# Altium PCB DIOT_8ch_isoSPI1.PcbDoc (part 1 of 5) (continued)
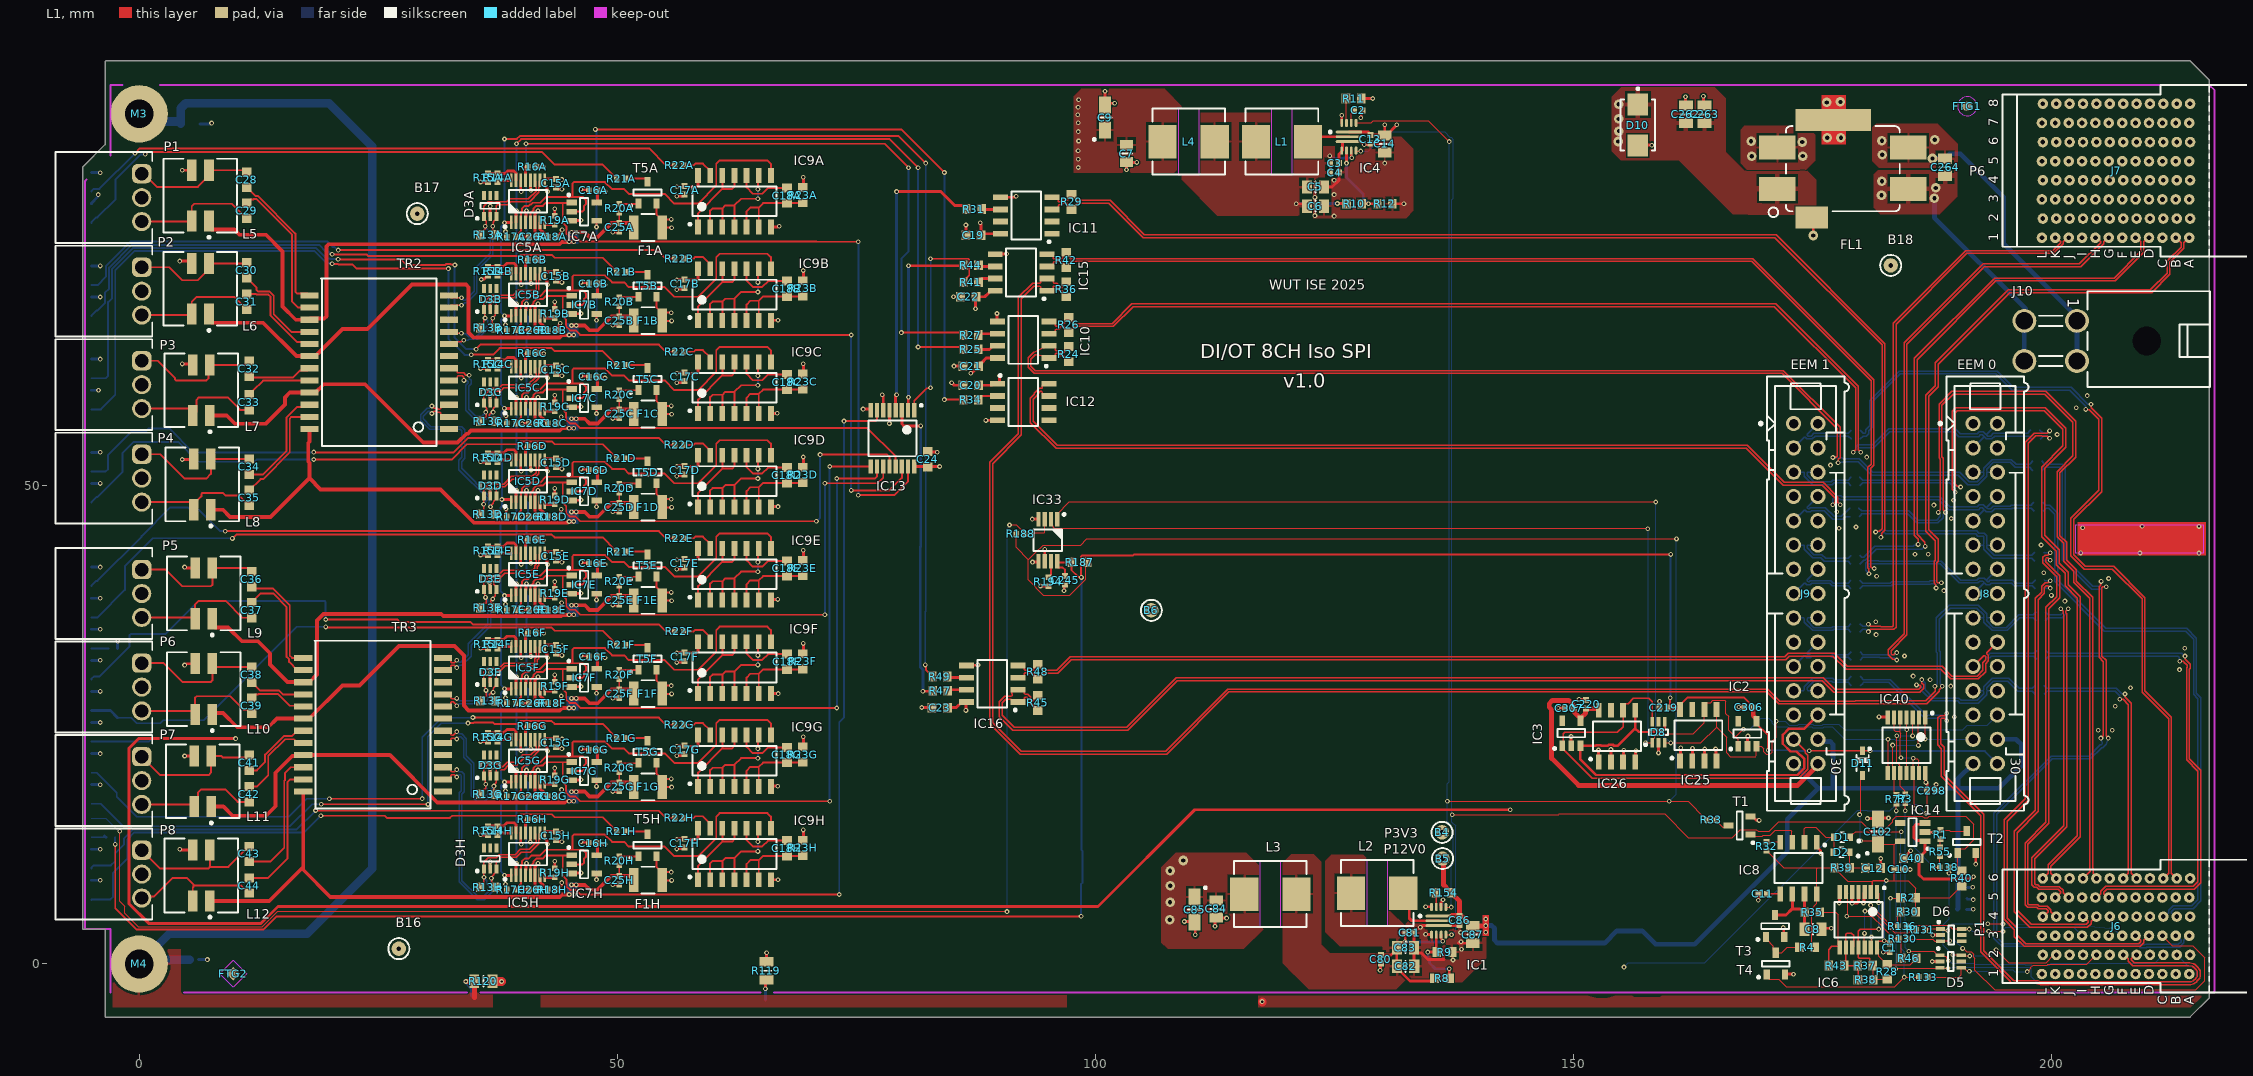
[diagram p0: L1 view]
## Classes and differential pairs
channel class Iso_SPI_PHY: U_Iso_SPI_PHY_0 U_Iso_SPI_PHY_1 U_Iso_SPI_PHY_2 U_Iso_SPI_PHY_3 U_Iso_SPI_PHY_4 U_Iso_SPI_PHY_5 U_Iso_SPI_PHY_6 U_Iso_SPI_PHY_7
component class U_LVDS_transceivers: C19 C20 C21 C22 C23 C24 IC10 IC11 IC12 IC13 IC15 IC16 R24 R25 R26 R27 R29 R31 R34 R36 R41 R42 R44 R45 R47 R48 R49
component class U_Iso_SPI_PHY_7: C15H C16H C17H C18H C25H C26H D3H F1H IC5H IC7H IC9H R13H R14H R15H R16H R17H R18H R19H R20H R21H R22H R23H T5H
component class U_Iso_SPI_PHY_6: C15G C16G C17G C18G C25G C26G D3G F1G IC5G IC7G IC9G R13G R14G R15G R16G R17G R18G R19G R20G R21G R22G R23G T5G
component class U_Iso_SPI_PHY_5: C15F C16F C17F C18F C25F C26F D3F F1F IC5F IC7F IC9F R13F R14F R15F R16F R17F R18F R19F R20F R21F R22F R23F T5F
component class U_Iso_SPI_PHY_4: C15E C16E C17E C18E C25E C26E D3E F1E IC5E IC7E IC9E R13E R14E R15E R16E R17E R18E R19E R20E R21E R22E R23E T5E
component class U_Iso_SPI_PHY_3: C15D C16D C17D C18D C25D C26D D3D F1D IC5D IC7D IC9D R13D R14D R15D R16D R17D R18D R19D R20D R21D R22D R23D T5D
component class U_Iso_SPI_PHY_2: C15C C16C C17C C18C C25C C26C D3C F1C IC5C IC7C IC9C R13C R14C R15C R16C R17C R18C R19C R20C R21C R22C R23C T5C
component class U_Iso_SPI_PHY_1: C15B C16B C17B C18B C25B C26B D3B F1B IC5B IC7B IC9B R13B R14B R15B R16B R17B R18B R19B R20B R21B R22B R23B T5B
component class U_Iso_SPI_PHY_0: C15A C16A C17A C18A C25A C26A D3A F1A IC5A IC7A IC9A R13A R14A R15A R16A R17A R18A R19A R20A R21A R22A R23A T5A
component class Overlapping: J6
net class HPOW: P12V0
component class EEM_Connectors: C219 C220 C298 C306 C307 D8 IC2 IC3 IC25 IC26 IC40 IC42 IC43 J8 J9 R3 R5 R6 R7 R77 R143 R144 R145 R146 R147 R148 R149 R150 R151 R152 R156 R157 R158 R159 R161 R162 R163 R164 R167 R168 R169 R170 R171 R172 R173 R174 R175 R176 R177 R257 R260 R261 R262
differential pair class MGT: BP_MGT.Rx BP_MGT.Tx BP_MGT_Rx BP_MGT_Tx FMC_MGT.DP_C2M0 FMC_MGT.DP_C2M1 FMC_MGT.DP_C2M2 FMC_MGT.DP_C2M3 FMC_MGT.DP_C2M4 FMC_MGT.DP_C2M5 FMC_MGT.DP_C2M6 FMC_MGT.DP_C2M7 FMC_MGT.DP_C2M8 FMC_MGT.DP_C2M9 FMC_MGT.DP_M2C0 FMC_MGT.DP_M2C1 FMC_MGT.DP_M2C2 FMC_MGT.DP_M2C3 FMC_MGT.DP_M2C4 FMC_MGT.DP_M2C5 FMC_MGT.DP_M2C6 FMC_MGT.DP_M2C7 FMC_MGT.DP_M2C8 FMC_MGT.DP_M2C9 MGT_RX0 MGT_RX1 MGT_RX2 MGT_RX3 MGT_RXC3 MGT_TX0 MGT_TX1 MGT_TX2 MGT_TX3 MGT_TXC3
net class ESD_STRIP: STRIP1 STRIP2 STRIP3
net class PWR: NetC264_2 P12V0 P12V0_DIOT
differential pair class Diff_100Ohm: BP_IO.LVDS0 BP_IO.LVDS1 BP_IO.LVDS2 BP_IO.LVDS3 BP_IO.LVDS4 BP_IO.LVDS5 BP_IO.LVDS6 BP_IO.LVDS7 BP_IO.LVDS8 BP_IO.LVDS9 BP_IO.LVDS10 BP_IO.LVDS11 BP_IO.LVDS12 BP_IO.LVDS13 BP_IO.LVDS14 BP_IO.LVDS15 CK_MMCX CK_MMCX_ALT CK_MMCX_IN CK_OSC CK_OSC_ALT CK_SMA CK_SMA_ALT CK_SMA_IN DDR3_CK DDR3_LDQS DDR3_UDQS EEM_IO.LVDS0 EEM_IO.LVDS1 EEM_IO.LVDS2 EEM_IO.LVDS3 EEM_IO.LVDS4 EEM_IO.LVDS5 EEM_IO.LVDS6 EEM_IO.LVDS7 EEM_IO.LVDS8 EEM_IO.LVDS9 EEM_IO.LVDS10 EEM_IO.LVDS11 EEM_IO.LVDS12 EEM_IO.LVDS13 EEM_IO.LVDS14 EEM_IO.LVDS15 FMC.HA0 FMC.HA1 FMC.HA2 FMC.HA3 FMC.HA4 FMC.HA5 FMC.HA6 FMC.HA7 FMC.HA8 FMC.HA9 FMC.HA10 FMC.HA11 FMC.HA12 FMC.HA13 FMC.HA14 FMC.HA15 FMC.HA16 FMC.HA17 FMC.HA18 FMC.HA19 FMC.HA20 FMC.HA21 FMC.HA22 FMC.HA23 FMC.HB0 FMC.HB1 FMC.HB2 FMC.HB3 FMC.HB4 FMC.HB5 FMC.HB6 FMC.HB7 FMC.HB8 FMC.HB9 FMC.HB10 FMC.HB11 FMC.HB12 FMC.HB13 FMC.HB14 FMC.HB15 FMC.HB16 FMC.HB17 FMC.HB18 FMC.HB19 FMC.HB20 FMC.HB21 FMC.LA0 FMC.LA1 FMC.LA2 FMC.LA3 FMC.LA4 FMC.LA5 FMC.LA6 FMC.LA7 FMC.LA8 FMC.LA9 FMC.LA10 FMC.LA11 FMC.LA12 FMC.LA13 FMC.LA14 FMC.LA15 FMC.LA16 FMC.LA17 FMC.LA18 FMC.LA19 FMC.LA20 FMC.LA21 FMC.LA22 FMC.LA23 FMC.LA24 FMC.LA25 FMC.LA26 FMC.LA27 FMC.LA28 FMC.LA29 FMC.LA30 FMC.LA31 FMC.LA32 FMC.LA33 FMC_CLK.CLK_BIDIR2 FMC_CLK.CLK_BIDIR3 FMC_CLK.CLK_M2C0 FMC_CLK.CLK_M2C1 FMC_MGT.GBTCLK_M2C0 FMC_MGT.GBTCLK_M2C1 GBTCLK0_M2C LVDS_DUAL0 LVDS_DUAL1 LVDS_DUAL2 LVDS_DUAL3 LVDS_DUAL4 LVDS_JTAG_TCK LVDS_JTAG_TDI LVDS_JTAG_TDO LVDS_JTAG_TMS LVDS_JTAG_TRSTn MGT_OR_LVDS OSC PE_CK PE_CLK PE_CLK.CLK PE_CLK_ALT
net class GA[0..3]: GA0 GA1 GA2
net class EEM_IO.LVDS_P[0..15]: EEM_IO.LVDS_P0 EEM_IO.LVDS_P1 EEM_IO.LVDS_P2 EEM_IO.LVDS_P3 EEM_IO.LVDS_P4 EEM_IO.LVDS_P5 EEM_IO.LVDS_P6 EEM_IO.LVDS_P7 EEM_IO.LVDS_P8 EEM_IO.LVDS_P9 EEM_IO.LVDS_P10 EEM_IO.LVDS_P11 EEM_IO.LVDS_P12 EEM_IO.LVDS_P13 EEM_IO.LVDS_P14 EEM_IO.LVDS_P15
net class EEM_IO.LVDS_N[0..15]: EEM_IO.LVDS_N0 EEM_IO.LVDS_N1 EEM_IO.LVDS_N2 EEM_IO.LVDS_N3 EEM_IO.LVDS_N4 EEM_IO.LVDS_N5 EEM_IO.LVDS_N6 EEM_IO.LVDS_N7 EEM_IO.LVDS_N8 EEM_IO.LVDS_N9 EEM_IO.LVDS_N10 EEM_IO.LVDS_N11 EEM_IO.LVDS_N12 EEM_IO.LVDS_N13 EEM_IO.LVDS_N14 EEM_IO.LVDS_N15
net class BP_IO.LVDS_P[0..15]: BP_IO.LVDS_P0 BP_IO.LVDS_P1 BP_IO.LVDS_P2 BP_IO.LVDS_P3 BP_IO.LVDS_P4 BP_IO.LVDS_P5 BP_IO.LVDS_P6 BP_IO.LVDS_P7 BP_IO.LVDS_P8 BP_IO.LVDS_P9 BP_IO.LVDS_P10 BP_IO.LVDS_P11 BP_IO.LVDS_P12 BP_IO.LVDS_P13 BP_IO.LVDS_P14 BP_IO.LVDS_P15
net class BP_IO.LVDS_N[0..15]: BP_IO.LVDS_N0 BP_IO.LVDS_N1 BP_IO.LVDS_N2 BP_IO.LVDS_N3 BP_IO.LVDS_N4 BP_IO.LVDS_N5 BP_IO.LVDS_N6 BP_IO.LVDS_N7 BP_IO.LVDS_N8 BP_IO.LVDS_N9 BP_IO.LVDS_N10 BP_IO.LVDS_N11 BP_IO.LVDS_N12 BP_IO.LVDS_N13 BP_IO.LVDS_N14 BP_IO.LVDS_N15
component class CPCIS_Connectors_P1_P6: C1 C8 C10 C11 C12 D1 D2 D5 D6 IC6 IC8 J6 J7 R1 R2 R4 R28 R30 R32 R33 R35 R37 R38 R39 R40 R43 R46 R55 R130 R131 R133 R136 R138 T1 T2 T3 T4
component class DIOT_8ch_isoSPI: C28 C29 C30 C31 C32 C33 C34 C35 C36 C37 C38 C39 C41 C42 C43 C44 C212 FTG1 FTG2 FTG3 FTG4 L5 L6 L7 L8 L9 L10 L11 L12 LD3 LD5 LD6 LD7 LD8 LD9 LD10 LD11 LD12 LD13 LD14 LD15 LD16 LD17 LD18 LD19 M3 M4 P1 P2 P3 P4 P5 P6 P7 P8 R119 R120 R126 TR2 TR3
component class U_PWR_Supply: B4 B5 B6 B16 B17 B18 C2 C3 C4 C5 C6 C7 C9 C13 C14 C40 C79 C80 C81 C82 C83 C84 C85 C86 C87 C102 C245 C262 C263 C264 D10 D11 FL1 IC1 IC4 IC14 IC33 J10 L1 L2 L3 L4 LD1 LD2 LD4 R8 R9 R10 R11 R12 R57 R154 R186 R187 R188 R194 R224
pad class MH: M3-1 M4-1
differential pair ISOH: +ISOH_P -ISOH_N
differential pair ISOG: +ISOG_P -ISOG_N
differential pair ISOF: +ISOF_P -ISOF_N
differential pair ISOE: +ISOE_P -ISOE_N
differential pair ISOD: +ISOD_P -ISOD_N
differential pair ISOC: +ISOC_P -ISOC_N
differential pair ISOB: +ISOB_P -ISOB_N
differential pair ISOA: +ISOA_P -ISOA_N
differential pair EEM_IO.LVDS15: +EEM_IO.LVDS_P15 -EEM_IO.LVDS_N15
differential pair EEM_IO.LVDS4: +EEM_IO.LVDS_P4 -EEM_IO.LVDS_N4
differential pair EEM_IO.LVDS3: +EEM_IO.LVDS_P3 -EEM_IO.LVDS_N3
differential pair EEM_IO.LVDS2: +EEM_IO.LVDS_P2 -EEM_IO.LVDS_N2
differential pair EEM_IO.LVDS1: +EEM_IO.LVDS_P1 -EEM_IO.LVDS_N1
differential pair EEM_IO.LVDS0: +EEM_IO.LVDS_P0 -EEM_IO.LVDS_N0
differential pair BP_MGT_Rx: +BP_MGT_Rx_P -BP_MGT_Rx_N
differential pair BP_MGT_Tx: +BP_MGT_Tx_P -BP_MGT_Tx_N
differential pair PE_CLK.CLK: +PE_CLK.CLK_P -PE_CLK.CLK_N
differential pair EEM_IO.LVDS14: +EEM_IO.LVDS_P14 -EEM_IO.LVDS_N14
differential pair EEM_IO.LVDS13: +EEM_IO.LVDS_P13 -EEM_IO.LVDS_N13
differential pair EEM_IO.LVDS12: +EEM_IO.LVDS_P12 -EEM_IO.LVDS_N12
differential pair EEM_IO.LVDS11: +EEM_IO.LVDS_P11 -EEM_IO.LVDS_N11
differential pair EEM_IO.LVDS10: +EEM_IO.LVDS_P10 -EEM_IO.LVDS_N10
differential pair EEM_IO.LVDS9: +EEM_IO.LVDS_P9 -EEM_IO.LVDS_N9
differential pair EEM_IO.LVDS8: +EEM_IO.LVDS_P8 -EEM_IO.LVDS_N8
differential pair EEM_IO.LVDS7: +EEM_IO.LVDS_P7 -EEM_IO.LVDS_N7
differential pair EEM_IO.LVDS6: +EEM_IO.LVDS_P6 -EEM_IO.LVDS_N6
differential pair EEM_IO.LVDS5: +EEM_IO.LVDS_P5 -EEM_IO.LVDS_N5
differential pair BP_IO.LVDS15: +BP_IO.LVDS_P15 -BP_IO.LVDS_N15
differential pair BP_IO.LVDS14: +BP_IO.LVDS_P14 -BP_IO.LVDS_N14
differential pair BP_IO.LVDS13: +BP_IO.LVDS_P13 -BP_IO.LVDS_N13
differential pair BP_IO.LVDS12: +BP_IO.LVDS_P12 -BP_IO.LVDS_N12
differential pair BP_IO.LVDS11: +BP_IO.LVDS_P11 -BP_IO.LVDS_N11
differential pair BP_IO.LVDS10: +BP_IO.LVDS_P10 -BP_IO.LVDS_N10
differential pair BP_IO.LVDS9: +BP_IO.LVDS_P9 -BP_IO.LVDS_N9
differential pair BP_IO.LVDS8: +BP_IO.LVDS_P8 -BP_IO.LVDS_N8
differential pair BP_IO.LVDS7: +BP_IO.LVDS_P7 -BP_IO.LVDS_N7
differential pair BP_IO.LVDS6: +BP_IO.LVDS_P6 -BP_IO.LVDS_N6
differential pair BP_IO.LVDS5: +BP_IO.LVDS_P5 -BP_IO.LVDS_N5
differential pair BP_IO.LVDS4: +BP_IO.LVDS_P4 -BP_IO.LVDS_N4
differential pair BP_IO.LVDS3: +BP_IO.LVDS_P3 -BP_IO.LVDS_N3
differential pair BP_IO.LVDS2: +BP_IO.LVDS_P2 -BP_IO.LVDS_N2
differential pair BP_IO.LVDS1: +BP_IO.LVDS_P1 -BP_IO.LVDS_N1
differential pair BP_IO.LVDS0: +BP_IO.LVDS_P0 -BP_IO.LVDS_N0

## Components (designator, comment, footprint, x,y, rotation, side; value= is the part's Value field where it differs from the comment)
B4 "Plated Hole" c150h50 136.246,13.767 r0 top
B5 "Plated Hole" c150h50 136.296,11.024 r0 top
B6 "Plated Hole" c150h50 105.842,36.982 r0 top
B16 "Plated Hole" c150h50 27.153,1.6 r0 top
B17 "Plated Hole" c150h50 29.083,78.461 r0 top
B18 "Plated Hole" c150h50 183.159,73.05 r0 top
C1 "100nF" CAPC1005X55N 183.058,1.676 r90 top
C2 "100nF" CAPC1005X55N 127.5,89.25 r180 top
C3 "100nF" CAPC1005X55N 125,83.75 r180 top
C4 "100nF" CAPC1005X55N 125,82.75 r180 top
C5 "22uF" CAPC2012X135N 123,81.25 r180 top
C6 "22uF" CAPC2012X135N 123,79.25 r180 top
C7 "22uF" CAPC2012X135N 103.25,84.75 r90 top
C8 "22uF" CAPC2012X135N 175.031,3.632 r180 top
C9 "10uF" CAPMP3216X180N 101,88.5 r90 top
C10 "100nF" CAPC1005X55N 183.998,9.881 r180 top
C11 "100nF" CAPC1005X55N 169.766,7.341 r0 top
C12 "1uF" CAPC1608X87N 181.305,10.033 r180 top
C13 "100nF" CAPC1005X55N 128.75,86.25 r90 top
C14 "22uF" CAPC2012X135N 130.25,85.75 r90 top
C15A "100nF" CAPC1005X55N 43.581,81.655 r90 top (schematic designator C15)
C15B "100nF" CAPC1005X55N 43.581,71.905 r90 top (schematic designator C15)
C15C "100nF" CAPC1005X55N 43.581,62.155 r90 top (schematic designator C15)
C15D "100nF" CAPC1005X55N 43.581,52.405 r90 top (schematic designator C15)
C15E "100nF" CAPC1005X55N 43.581,42.655 r90 top (schematic designator C15)
C15F "100nF" CAPC1005X55N 43.581,32.905 r90 top (schematic designator C15)
C15G "100nF" CAPC1005X55N 43.581,23.155 r90 top (schematic designator C15)
C15H "100nF" CAPC1005X55N 43.581,13.405 r90 top (schematic designator C15)
C16A "100nF" CAPC1005X55N 47.46,80.893 r0 top (schematic designator C16)
C16B "100nF" CAPC1005X55N 47.46,71.143 r0 top (schematic designator C16)
C16C "100nF" CAPC1005X55N 47.46,61.393 r0 top (schematic designator C16)
C16D "100nF" CAPC1005X55N 47.46,51.643 r0 top (schematic designator C16)
C16E "100nF" CAPC1005X55N 47.46,41.893 r0 top (schematic designator C16)
C16F "100nF" CAPC1005X55N 47.46,32.143 r0 top (schematic designator C16)
C16G "100nF" CAPC1005X55N 47.46,22.393 r0 top (schematic designator C16)
C16H "100nF" CAPC1005X55N 47.46,12.643 r0 top (schematic designator C16)
C17A "100nF" CAPC1005X55N 57.043,80.893 r90 top (schematic designator C17)
C17B "100nF" CAPC1005X55N 57.043,71.143 r90 top (schematic designator C17)
C17C "100nF" CAPC1005X55N 57.043,61.393 r90 top (schematic designator C17)
C17D "100nF" CAPC1005X55N 57.043,51.643 r90 top (schematic designator C17)
C17E "100nF" CAPC1005X55N 57.043,41.893 r90 top (schematic designator C17)
C17F "100nF" CAPC1005X55N 57.043,32.143 r90 top (schematic designator C17)
C17G "100nF" CAPC1005X55N 57.043,22.393 r90 top (schematic designator C17)
C17H "100nF" CAPC1005X55N 57.043,12.643 r90 top (schematic designator C17)
C18A "1uF" CAPC1608X87N 67.741,80.357 r270 top (schematic designator C18)
C18B "1uF" CAPC1608X87N 67.741,70.607 r270 top (schematic designator C18)
C18C "1uF" CAPC1608X87N 67.741,60.857 r270 top (schematic designator C18)
C18D "1uF" CAPC1608X87N 67.741,51.107 r270 top (schematic designator C18)
C18E "1uF" CAPC1608X87N 67.741,41.357 r270 top (schematic designator C18)
C18F "1uF" CAPC1608X87N 67.741,31.607 r270 top (schematic designator C18)
C18G "1uF" CAPC1608X87N 67.741,21.857 r270 top (schematic designator C18)
C18H "1uF" CAPC1608X87N 67.741,12.107 r270 top (schematic designator C18)
C19 "100nF" CAPC1608X87N 87.245,76.196 r180 top
C20 "100nF" CAPC1608X87N 86.954,60.52 r180 top
C21 "100nF" CAPC1608X87N 86.954,62.52 r0 top
C22 "100nF" CAPC1608X87N 86.704,69.77 r180 top
C23 "100nF" CAPC1608X87N 83.716,26.808 r0 top
C24 "100nF" CAPC1608X87N 82.454,52.77 r90 top
C25A "100nF" CAPC1005X55N 50.204,77.02 r90 top (schematic designator C25)
C25B "100nF" CAPC1005X55N 50.204,67.27 r90 top (schematic designator C25)
C25C "100nF" CAPC1005X55N 50.204,57.52 r90 top (schematic designator C25)
C25D "100nF" CAPC1005X55N 50.204,47.77 r90 top (schematic designator C25)
C25E "100nF" CAPC1005X55N 50.204,38.02 r90 top (schematic designator C25)
C25F "100nF" CAPC1005X55N 50.204,28.27 r90 top (schematic designator C25)
C25G "100nF" CAPC1005X55N 50.204,18.52 r90 top (schematic designator C25)
C25H "100nF" CAPC1005X55N 50.204,8.77 r90 top (schematic designator C25)
C26A "100nF" CAPC1005X55N 41.204,76.02 r0 top (schematic designator C26)
C26B "100nF" CAPC1005X55N 41.204,66.27 r0 top (schematic designator C26)
C26C "100nF" CAPC1005X55N 41.204,56.52 r0 top (schematic designator C26)
C26D "100nF" CAPC1005X55N 41.204,46.77 r0 top (schematic designator C26)
C26E "100nF" CAPC1005X55N 41.204,37.02 r0 top (schematic designator C26)
C26F "100nF" CAPC1005X55N 41.204,27.27 r0 top (schematic designator C26)
C26G "100nF" CAPC1005X55N 41.204,17.52 r0 top (schematic designator C26)
C26H "100nF" CAPC1005X55N 41.204,7.77 r0 top (schematic designator C26)
C28 "10uF" CAPC1608X87N 11.25,82 r270 top
C29 "10uF" CAPC1608X87N 11.25,78.75 r90 top
C30 "10uF" CAPC1608X87N 11.25,72.55 r270 top
C31 "10uF" CAPC1608X87N 11.25,69.25 r90 top
C32 "10uF" CAPC1608X87N 11.5,62.25 r270 top
C33 "10uF" CAPC1608X87N 11.5,58.75 r90 top
C34 "10uF" CAPC1608X87N 11.5,52 r270 top
C35 "10uF" CAPC1608X87N 11.5,48.75 r90 top
C36 "10uF" CAPC1608X87N 11.75,40.25 r270 top
C37 "10uF" CAPC1608X87N 11.75,37 r90 top
C38 "10uF" CAPC1608X87N 11.75,30.25 r270 top
C39 "10uF" CAPC1608X87N 11.75,27 r90 top
C40 "1uF" CAPC1608X87N 185.318,11.074 r0 top
C41 "10uF" CAPC1608X87N 11.5,21.05 r270 top
C42 "10uF" CAPC1608X87N 11.5,17.75 r90 top
C43 "10uF" CAPC1608X87N 11.5,11.5 r270 top
C44 "10uF" CAPC1608X87N 11.5,8.2 r90 top
C79 "100nF" CAPC1005X55N 135.64,5.963 r0 bottom
C80 "100nF" CAPC1005X55N 129.845,0.483 r90 top
C81 "100nF" CAPC1005X55N 132.867,3.277 r180 top
C82 "22uF" CAPC2012X135N 132.436,-0.254 r180 top
C83 "22uF" CAPC2012X135N 132.41,1.702 r180 top
C84 "22uF" CAPC2012X135N 112.624,5.755 r90 top
C85 "10uF" CAPMP3216X180N 110.363,5.69 r270 top
C86 "100nF" CAPC1005X55N 138.074,4.547 r90 top
C87 "22uF" CAPC2012X135N 139.471,3.073 r90 top
C102 "4.7uF" CAPMP3216X180N 181.839,13.843 r90 top
C212 "22pF" CAPC1005X55N 5.748,0.45 r0 bottom
C219 "100nF" CAPC1005X55N 159.436,26.797 r0 top
C220 "100nF" CAPC1005X55N 151.308,27.16 r270 top
C245 "100nF" CAPC1005X55N 96.823,40.141 r90 top
C262 "10uF" CAPC2012X95N 161.739,88.851 r270 top
C263 "10uF" CAPC2012X95N 163.689,88.851 r270 top
C264 "10uF" CAPC2012X95N 188.849,83.312 r270 top
C298 "100nF" CAPC1005X55N 187.427,18.11 r180 top
C306 "100nF" CAPC1005X55N 168.326,26.848 r0 top
C307 "100nF" CAPC1005X55N 149.562,26.746 r0 top
D1 "CDBU0520-HF" SOD-523F 178.079,13.259 r180 top
D2 "CDBU0520-HF" SOD-523F 178.003,11.684 r180 top
D3A "PESD3V3L5UY" SOT65P210X110-6N 36.704,79.27 r90 top (schematic designator D3)
D3B "PESD3V3L5UY" SOT65P210X110-6N 36.704,69.52 r90 top (schematic designator D3)
D3C "PESD3V3L5UY" SOT65P210X110-6N 36.704,59.77 r90 top (schematic designator D3)
D3D "PESD3V3L5UY" SOT65P210X110-6N 36.704,50.02 r90 top (schematic designator D3)
D3E "PESD3V3L5UY" SOT65P210X110-6N 36.704,40.27 r90 top (schematic designator D3)
D3F "PESD3V3L5UY" SOT65P210X110-6N 36.704,30.52 r90 top (schematic designator D3)
D3G "PESD3V3L5UY" SOT65P210X110-6N 36.704,20.77 r90 top (schematic designator D3)
D3H "PESD3V3L5UY" SOT65P210X110-6N 36.704,11.02 r90 top (schematic designator D3)
D5 "PESD3V3L5UY" SOT65P210X110-6N 189.433,0.254 r0 top
D6 "PESD3V3L5UY" SOT65P210X110-6N 189.484,3.023 r0 top
D8 "PESD3V3L5UY" SOT65P210X110-6N 158.877,24.232 r90 top
D10 "SMBJ12A" DIOM5336X265N 156.718,87.732 r270 top
D11 "BAT165" SOD2512X110N 180.213,21.006 r270 top
F1A "350mA-6V" FUSR_TYCO_MICROSMD035F 53.204,77.02 r0 top (schematic designator F1)
F1B "350mA-6V" FUSR_TYCO_MICROSMD035F 53.204,67.27 r0 top (schematic designator F1)
F1C "350mA-6V" FUSR_TYCO_MICROSMD035F 53.204,57.52 r0 top (schematic designator F1)
F1D "350mA-6V" FUSR_TYCO_MICROSMD035F 53.204,47.77 r0 top (schematic designator F1)
F1E "350mA-6V" FUSR_TYCO_MICROSMD035F 53.204,38.02 r0 top (schematic designator F1)
F1F "350mA-6V" FUSR_TYCO_MICROSMD035F 53.204,28.27 r0 top (schematic designator F1)
F1G "350mA-6V" FUSR_TYCO_MICROSMD035F 53.204,18.52 r0 top (schematic designator F1)
F1H "350mA-6V" FUSR_TYCO_MICROSMD035F 53.204,8.77 r0 top (schematic designator F1)
FL1 "10A/50VDC" FIL_MURATA_BNX02 178.156,83.16 r180 top
FTG1 "Use only in PCB" FIDUCIAL_TOP_C100-200 191.16,89.687 r90 top
FTG2 "Use only in PCB" FIDUCIAL_TOP_S100-200 9.83,-1.016 r90 top
FTG3 "Use only in PCB" FIDUCIAL_TOP_S100-200 190.673,90.157 r90 bottom
FTG4 "Use only in PCB" FIDUCIAL_TOP_S100-200 8.204,-1.016 r90 bottom
IC1 "TPS62148RGX" TEXAS_RGX0011A 135.89,4.513 r0 top
IC2 "24AA02E48T-I/OT" SOT95P280X145-5N 168.173,24.079 r90 top
IC3 "24AA02E48T-I/OT" SOT95P280X145-5N 149.758,24.13 r90 top
IC4 "TPS62148RGX" TEXAS_RGX0011A 126.5,86.5 r0 top
IC5A "LTC6820HMS" SOP50P490X110-16N 40.656,79.747 r90 top (schematic designator IC5)
IC5B "LTC6820HMS" SOP50P490X110-16N 40.656,69.997 r90 top (schematic designator IC5)
IC5C "LTC6820HMS" SOP50P490X110-16N 40.656,60.247 r90 top (schematic designator IC5)
IC5D "LTC6820HMS" SOP50P490X110-16N 40.656,50.497 r90 top (schematic designator IC5)
IC5E "LTC6820HMS" SOP50P490X110-16N 40.656,40.747 r90 top (schematic designator IC5)
IC5F "LTC6820HMS" SOP50P490X110-16N 40.656,30.997 r90 top (schematic designator IC5)
IC5G "LTC6820HMS" SOP50P490X110-16N 40.656,21.247 r90 top (schematic designator IC5)
IC5H "LTC6820HMS" SOP50P490X110-16N 40.656,11.497 r90 top (schematic designator IC5)
IC6 "74HC4066PW" SOP65P640X110-14N 179.781,4.613 r270 top
IC7A "SN74LVC1G125DBV" SOT95P280X145-5N 46.532,78.668 r0 top (schematic designator IC7)
IC7B "SN74LVC1G125DBV" SOT95P280X145-5N 46.532,68.918 r0 top (schematic designator IC7)
IC7C "SN74LVC1G125DBV" SOT95P280X145-5N 46.532,59.168 r0 top (schematic designator IC7)
IC7D "SN74LVC1G125DBV" SOT95P280X145-5N 46.532,49.418 r0 top (schematic designator IC7)
IC7E "SN74LVC1G125DBV" SOT95P280X145-5N 46.532,39.668 r0 top (schematic designator IC7)
IC7F "SN74LVC1G125DBV" SOT95P280X145-5N 46.532,29.918 r0 top (schematic designator IC7)
IC7G "SN74LVC1G125DBV" SOT95P280X145-5N 46.532,20.168 r0 top (schematic designator IC7)
IC7H "SN74LVC1G125DBV" SOT95P280X145-5N 46.532,10.418 r0 top (schematic designator IC7)
IC8 "TLC555ID" SOIC127P600X175-8N 173.507,10.033 r270 top
IC9A "SN74HC02D" SOIC127P600X175-14N 62.25,79.75 r90 top (schematic designator IC9)
IC9B "SN74HC02D" SOIC127P600X175-14N 62.25,70 r90 top (schematic designator IC9)
IC9C "SN74HC02D" SOIC127P600X175-14N 62.25,60.25 r90 top (schematic designator IC9)
IC9D "SN74HC02D" SOIC127P600X175-14N 62.25,50.5 r90 top (schematic designator IC9)
IC9E "SN74HC02D" SOIC127P600X175-14N 62.25,40.75 r90 top (schematic designator IC9)
IC9F "SN74HC02D" SOIC127P600X175-14N 62.25,31 r90 top (schematic designator IC9)
IC9G "SN74HC02D" SOIC127P600X175-14N 62.25,21.25 r90 top (schematic designator IC9)
IC9H "SN74HC02D" SOIC127P600X175-14N 62.25,11.5 r90 top (schematic designator IC9)
IC10 "FIN1028MX" SOIC127P600X175-8N 92.454,65.27 r180 top
IC11 "FIN1028MX" SOIC127P600X175-8N 92.754,78.27 r180 top
IC12 "FIN1027AMX" SOIC127P600X175-8N 92.454,58.77 r0 top
IC13 "74HC138PW" SOP65P640X110-16N 78.779,54.97 r270 top
IC14 "MIC5219-3.3YM5" SOT95P280X145-5N 185.445,13.792 r180 top
IC15 "FIN1028MX" SOIC127P600X175-8N 92.216,72.308 r180 top
IC16 "FIN1028MX" SOIC127P600X175-8N 89.216,29.308 r180 top
IC25 "24AA025E48-I/SN" SOIC127P600X175-8N 163.043,23.927 r90 top
IC26 "24AA025E48-I/SN" SOIC127P600X175-8N 154.534,23.825 r90 top
IC33 "LM75AIMM/NOPB" SOP65P490X109-8N 95.017,44.307 r270 top
IC40 "74HC4066PW" SOP65P640X110-14N 184.81,22.885 r270 top
J6 "P1" AMPHENOL_10052825-101LF 206.719,3.95 r90 top locked
J7 "P6" AMPHENOL_10052838-101LF 206.719,82.95 r90 top locked
J8 "" 3M_N2530-6002RB 193.043,38.73 r270 top locked
J9 "" 3M_N2530-6002RB 174.273,38.729 r270 top locked
J10 "Mini-Fit Jr.™" MOLEX_39-30-0040 199.881,65.151 r270 top
L1 "1.5uH" IND_WURTH_WE-LHMI_7050 119.5,86 r180 top
L2 "1.5uH" IND_WURTH_WE-LHMI_7050 129.457,7.417 r180 top
L3 "1.5uH" IND_WURTH_WE-LHMI_7050 118.288,7.315 r180 top
L4 "1.5uH" IND_WURTH_WE-LHMI_7050 109.75,86 r180 top
L5 "100µH, 0.3A" WE-DD_7332 6.4,80.35 r180 top
L6 "100µH, 0.3A" WE-DD_7332 6.4,70.6 r180 top
L7 "100µH, 0.3A" WE-DD_7332 6.5,60 r180 top
L8 "100µH, 0.3A" WE-DD_7332 6.6,50.15 r180 top
L9 "100µH, 0.3A" WE-DD_7332 6.75,38.75 r180 top
L10 "100µH, 0.3A" WE-DD_7332 6.75,28.75 r180 top
L11 "100µH, 0.3A" WE-DD_7332 6.65,19.1 r180 top
L12 "100µH, 0.3A" WE-DD_7332 6.5,9.25 r180 top
LD1 "Red" LED_AVAGO_HSMC-C120 -5,14.25 r270 bottom
LD2 "Green" LED_AVAGO_HSME-C120 -5,34 r270 bottom
LD3 "Green" LED_AVAGO_HSME-C120 -5,81.75 r270 bottom
LD4 "Green" LED_AVAGO_HSME-C120 -5,24.25 r270 bottom
LD5 "Red" LED_AVAGO_HSMC-C120 -5,78.5 r270 bottom
LD6 "Green" LED_AVAGO_HSME-C120 -5,72 r270 bottom
LD7 "Red" LED_AVAGO_HSMC-C120 -5,68.75 r270 bottom
LD8 "Green" LED_AVAGO_HSME-C120 -5,62.25 r270 bottom
LD9 "Red" LED_AVAGO_HSMC-C120 -5,59 r270 bottom
LD10 "Green" LED_AVAGO_HSME-C120 -5,52.5 r270 bottom
LD11 "Red" LED_AVAGO_HSMC-C120 -5,49.25 r270 bottom
LD12 "Green" LED_AVAGO_HSME-C120 -5,40.5 r270 bottom
LD13 "Red" LED_AVAGO_HSMC-C120 -5,37.25 r270 bottom
LD14 "Green" LED_AVAGO_HSME-C120 -5,30.75 r270 bottom
LD15 "Red" LED_AVAGO_HSMC-C120 -5,27.5 r270 bottom
LD16 "Green" LED_AVAGO_HSME-C120 -5,21 r270 bottom
LD17 "Red" LED_AVAGO_HSMC-C120 -5,17.75 r270 bottom
LD18 "Green" LED_AVAGO_HSME-C120 -5,11 r270 bottom
LD19 "Red" LED_AVAGO_HSMC-C120 -5,7.75 r270 bottom
M3 "Plated Hole" MTG300_600 0.568,88.9 r0 top locked
M4 "Plated Hole" MTG300_600 0.568,0 r0 top locked
P1 "691382010003" 691382010003 -3.683,80.137 r270 top
P2 "691382010003" 691382010003 -3.683,70.358 r270 top
P3 "691382010003" 691382010003 -3.683,60.579 r270 top
P4 "691382010003" 691382010003 -3.683,50.8 r270 top
P5 "691382010003" 691382010003 -3.683,38.735 r270 top
P6 "691382010003" 691382010003 -3.683,28.956 r270 top
P7 "691382010003" 691382010003 -3.683,19.177 r270 top
P8 "691382010003" 691382010003 -3.683,9.398 r270 top
R1 "200" RESC1005X40N 188.366,13.538 r270 top
R2 "10k" RESC1608X55N 184.988,6.934 r180 top
R3 "0" RESC1005X40N 184.683,17.272 r90 top
R4 "10k" RESC1608X55N 174.422,1.727 r0 top
R5 "0" RESC1005X40N 179.502,55.829 r180 bottom
R6 "0" RESC1005X40N 179.476,49.987 r180 bottom
R7 "0" RESC1005X40N 179.362,47.701 r180 bottom
R8 "10k" RESC1608X55N 136.25,-1.5 r180 top
R9 "2k7" RESC1608X55N 136.5,1.25 r180 top
R10 "62k" RESC1608X55N 127.05,79.5 r180 top
R11 "62k" RESC1608X55N 127,90.5 r180 top
R12 "10k" RESC1608X55N 130.25,79.5 r180 top
R13A "120" RESC1608X55N 36.454,76.27 r0 top (schematic designator R13)
R13B "120" RESC1608X55N 36.454,66.52 r0 top (schematic designator R13)
R13C "120" RESC1608X55N 36.454,56.77 r0 top (schematic designator R13)
R13D "120" RESC1608X55N 36.454,47.02 r0 top (schematic designator R13)
R13E "120" RESC1608X55N 36.454,37.27 r0 top (schematic designator R13)
R13F "120" RESC1608X55N 36.454,27.52 r0 top (schematic designator R13)
R13G "120" RESC1608X55N 36.454,17.77 r0 top (schematic designator R13)
R13H "120" RESC1608X55N 36.454,8.02 r0 top (schematic designator R13)
R14A "2K87" RESC1005X40N 37.485,82.201 r90 top (schematic designator R14)
R14B "2K87" RESC1005X40N 37.485,72.451 r90 top (schematic designator R14)
R14C "2K87" RESC1005X40N 37.485,62.701 r90 top (schematic designator R14)
R14D "2K87" RESC1005X40N 37.485,52.951 r90 top (schematic designator R14)
R14E "2K87" RESC1005X40N 37.485,43.201 r90 top (schematic designator R14)
R14F "2K87" RESC1005X40N 37.485,33.451 r90 top (schematic designator R14)
R14G "2K87" RESC1005X40N 37.485,23.701 r90 top (schematic designator R14)
R14H "2K87" RESC1005X40N 37.485,13.951 r90 top (schematic designator R14)
R15A "1k2" RESC1005X40N 36.469,82.201 r270 top (schematic designator R15)
R15B "1k2" RESC1005X40N 36.469,72.451 r270 top (schematic designator R15)
R15C "1k2" RESC1005X40N 36.469,62.701 r270 top (schematic designator R15)
R15D "1k2" RESC1005X40N 36.469,52.951 r270 top (schematic designator R15)
R15E "1k2" RESC1005X40N 36.469,43.201 r270 top (schematic designator R15)
R15F "1k2" RESC1005X40N 36.469,33.451 r270 top (schematic designator R15)
R15G "1k2" RESC1005X40N 36.469,23.701 r270 top (schematic designator R15)
R15H "1k2" RESC1005X40N 36.469,13.951 r270 top (schematic designator R15)
R16A "0" RESC1005X40N 41.121,83.368 r180 top (schematic designator R16)
R16B "0" RESC1005X40N 41.121,73.618 r180 top (schematic designator R16)
R16C "0" RESC1005X40N 41.121,63.868 r180 top (schematic designator R16)
R16D "0" RESC1005X40N 41.121,54.118 r180 top (schematic designator R16)
R16E "0" RESC1005X40N 41.121,44.368 r180 top (schematic designator R16)
R16F "0" RESC1005X40N 41.121,34.618 r180 top (schematic designator R16)
R16G "0" RESC1005X40N 41.121,24.868 r180 top (schematic designator R16)
R16H "0" RESC1005X40N 41.121,15.118 r180 top (schematic designator R16)
R17A "1k2" RESC1005X40N 38.924,76.02 r180 top (schematic designator R17)
R17B "1k2" RESC1005X40N 38.924,66.27 r180 top (schematic designator R17)
R17C "1k2" RESC1005X40N 38.924,56.52 r180 top (schematic designator R17)
R17D "1k2" RESC1005X40N 38.924,46.77 r180 top (schematic designator R17)
R17E "1k2" RESC1005X40N 38.924,37.02 r180 top (schematic designator R17)
R17F "1k2" RESC1005X40N 38.924,27.27 r180 top (schematic designator R17)
R17G "1k2" RESC1005X40N 38.924,17.52 r180 top (schematic designator R17)
R17H "1k2" RESC1005X40N 38.924,7.77 r180 top (schematic designator R17)
R18A "0" RESC1005X40N 43.204,76.02 r180 top (schematic designator R18)
R18B "0" RESC1005X40N 43.204,66.27 r180 top (schematic designator R18)
R18C "0" RESC1005X40N 43.204,56.52 r180 top (schematic designator R18)
R18D "0" RESC1005X40N 43.204,46.77 r180 top (schematic designator R18)
R18E "0" RESC1005X40N 43.204,37.02 r180 top (schematic designator R18)
R18F "0" RESC1005X40N 43.204,27.27 r180 top (schematic designator R18)
R18G "0" RESC1005X40N 43.204,17.52 r180 top (schematic designator R18)
R18H "0" RESC1005X40N 43.204,7.77 r180 top (schematic designator R18)
R19A "0" RESC1005X40N 43.454,77.77 r270 top (schematic designator R19)
R19B "0" RESC1005X40N 43.454,68.02 r270 top (schematic designator R19)
R19C "0" RESC1005X40N 43.454,58.27 r270 top (schematic designator R19)
R19D "0" RESC1005X40N 43.454,48.52 r270 top (schematic designator R19)
R19E "0" RESC1005X40N 43.454,38.77 r270 top (schematic designator R19)
R19F "0" RESC1005X40N 43.454,29.02 r270 top (schematic designator R19)
R19G "0" RESC1005X40N 43.454,19.27 r270 top (schematic designator R19)
R19H "0" RESC1005X40N 43.454,9.52 r270 top (schematic designator R19)
R20A "1k6" RESC1005X40N 50.204,79.02 r270 top (schematic designator R20)
R20B "1k6" RESC1005X40N 50.204,69.27 r270 top (schematic designator R20)
R20C "1k6" RESC1005X40N 50.204,59.52 r270 top (schematic designator R20)
R20D "1k6" RESC1005X40N 50.204,49.77 r270 top (schematic designator R20)
R20E "1k6" RESC1005X40N 50.204,40.02 r270 top (schematic designator R20)
R20F "1k6" RESC1005X40N 50.204,30.27 r270 top (schematic designator R20)
R20G "1k6" RESC1005X40N 50.204,20.52 r270 top (schematic designator R20)
R20H "1k6" RESC1005X40N 50.204,10.77 r270 top (schematic designator R20)
R21A "1k6" RESC1005X40N 50.418,82.123 r0 top (schematic designator R21)
R21B "1k6" RESC1005X40N 50.418,72.373 r0 top (schematic designator R21)
R21C "1k6" RESC1005X40N 50.418,62.623 r0 top (schematic designator R21)
R21D "1k6" RESC1005X40N 50.418,52.873 r0 top (schematic designator R21)
R21E "1k6" RESC1005X40N 50.418,43.123 r0 top (schematic designator R21)
R21F "1k6" RESC1005X40N 50.418,33.373 r0 top (schematic designator R21)
R21G "1k6" RESC1005X40N 50.418,23.623 r0 top (schematic designator R21)
R21H "1k6" RESC1005X40N 50.418,13.873 r0 top (schematic designator R21)
R22A "1k6" RESC1005X40N 56.454,83.52 r180 top (schematic designator R22)
R22B "1k6" RESC1005X40N 56.454,73.77 r180 top (schematic designator R22)
R22C "1k6" RESC1005X40N 56.454,64.02 r180 top (schematic designator R22)
R22D "1k6" RESC1005X40N 56.454,54.27 r180 top (schematic designator R22)
R22E "1k6" RESC1005X40N 56.454,44.52 r180 top (schematic designator R22)
R22F "1k6" RESC1005X40N 56.454,34.77 r180 top (schematic designator R22)
R22G "1k6" RESC1005X40N 56.454,25.02 r180 top (schematic designator R22)
R22H "1k6" RESC1005X40N 56.454,15.27 r180 top (schematic designator R22)
R23A "62k" RESC1608X55N 69.392,80.395 r90 top (schematic designator R23)
R23B "62k" RESC1608X55N 69.392,70.645 r90 top (schematic designator R23)
R23C "62k" RESC1608X55N 69.392,60.895 r90 top (schematic designator R23)
R23D "62k" RESC1608X55N 69.392,51.145 r90 top (schematic designator R23)
R23E "62k" RESC1608X55N 69.392,41.395 r90 top (schematic designator R23)
R23F "62k" RESC1608X55N 69.392,31.645 r90 top (schematic designator R23)
R23G "62k" RESC1608X55N 69.392,21.895 r90 top (schematic designator R23)
R23H "62k" RESC1608X55N 69.392,12.145 r90 top (schematic designator R23)
R24 "100" RESC1608X55N 97.204,63.77 r90 top
R25 "100" RESC1608X55N 86.954,64.27 r0 top
R26 "100" RESC1608X55N 97.204,66.82 r90 top
R27 "100" RESC1608X55N 86.954,65.77 r0 top
R28 "10k" RESC1608X55N 182.778,-0.813 r90 top
R29 "100" RESC1608X55N 97.495,79.696 r90 top
R30 "10k" RESC1608X55N 184.963,5.461 r180 top
R31 "100" RESC1608X55N 87.295,78.946 r0 top
R32 "0" RESC1005X40N 170.18,12.319 r90 top
R33 "0" RESC1005X40N 164.389,15.062 r180 top
R34 "100" RESC1608X55N 86.954,59.02 r0 top
R35 "2k7" RESC1608X55N 174.955,5.41 r180 top
R36 "100" RESC1608X55N 96.966,70.558 r90 top
R37 "10k" RESC1608X55N 180.492,-0.163 r180 top
R38 "10k" RESC1608X55N 180.543,-1.651 r180 top
R39 "10k" RESC1608X55N 178.054,10.058 r0 top
R40 "10k" RESC1608X55N 190.602,8.941 r270 top
R41 "100" RESC1608X55N 86.966,71.308 r0 top
R42 "100" RESC1608X55N 96.966,73.608 r90 top
R43 "2k7" RESC1608X55N 177.483,-0.163 r0 top
R44 "100" RESC1608X55N 86.966,73.058 r0 top
R45 "100" RESC1608X55N 93.966,27.308 r90 top
R46 "10k" RESC1608X55N 185.039,0.61 r180 top
R47 "100" RESC1608X55N 83.766,28.558 r0 top
R48 "100" RESC1608X55N 93.966,30.558 r90 top
R49 "100" RESC1608X55N 83.716,30.058 r0 top
R55 "22" RESC1005X40N 188.316,11.735 r270 top
R57 "1k6" RESC1005X40N -2.75,33 r0 bottom
R77 "0" RESC1005X40N 183.744,17.247 r90 top
R119 "10M" RESC2113X55N 65.583,-0.711 r90 top
R120 "10M" RESC2113X55N 35.998,-1.8 r180 top
R126 "1M1" RESC2012X60N 5.348,87.85 r0 bottom
R130 "22" RESC1005X40N 184.442,2.642 r0 top
R131 "22" RESC1005X40N 186.309,3.556 r0 top
R133 "22" RESC1005X40N 186.563,-1.372 r0 top
R136 "22" RESC1005X40N 184.379,3.937 r0 top
R138 "22" RESC1005X40N 188.773,10.109 r0 top
R143 "0" RESC1005X40N 179.515,30.074 r0 bottom
R144 "0" RESC1005X40N 179.527,29.108 r0 bottom
R145 "0" RESC1005X40N 198.285,55.855 r180 bottom
R146 "0" RESC1005X40N 198.476,52.603 r180 bottom
R147 "0" RESC1005X40N 198.603,48.285 r180 bottom
R148 "0" RESC1005X40N 198.679,42.113 r180 bottom
R149 "0" RESC1005X40N 198.73,40.157 r180 bottom
R150 "0" RESC1005X40N 198.857,35.89 r180 bottom
R151 "0" RESC1005X40N 198.907,32.791 r180 bottom
R152 "0" RESC1005X40N 198.73,29.134 r180 bottom
R154 "62k" RESC1608X55N 136.398,7.468 r180 top
R156 "0" RESC1005X40N 179.464,41.783 r180 bottom
R157 "0" RESC1005X40N 179.476,40.132 r180 bottom
R158 "0" RESC1005X40N 179.476,34.671 r180 bottom
R159 "0" RESC1005X40N 179.502,32.664 r180 bottom
R161 "0" RESC1005X40N 198.349,54.889 r180 bottom
R162 "0" RESC1005X40N 198.476,51.587 r180 bottom
R163 "0" RESC1005X40N 198.628,47.346 r180 bottom
R164 "0" RESC1005X40N 198.679,43.053 r180 bottom
R167 "0" RESC1005X40N 198.73,39.218 r180 bottom
R168 "0" RESC1005X40N 198.857,36.83 r180 bottom
R169 "0" RESC1005X40N 198.907,31.852 r180 bottom
R170 "0" RESC1005X40N 198.73,28.194 r180 bottom
R171 "0" RESC1005X40N 179.502,54.889 r180 bottom
R172 "0" RESC1005X40N 179.476,50.927 r180 bottom
R173 "0" RESC1005X40N 179.375,46.761 r180 bottom
R174 "0" RESC1005X40N 179.464,42.723 r180 bottom
R175 "0" RESC1005X40N 179.476,39.218 r180 bottom
R176 "0" RESC1005X40N 179.476,35.585 r180 bottom
R177 "0" RESC1005X40N 179.502,31.75 r180 bottom
R186 "1k6" RESC1005X40N -3,13.25 r0 bottom
R187 "10k" RESC1608X55N 98.347,41.995 r180 top
R188 "0" RESC1005X40N 92.175,44.967 r180 top
R194 "0" RESC1005X40N 95.071,39.989 r90 top
R224 "10k" RESC1608X55N 8.179,23.571 r0 bottom
R257 "0" RESC1005X40N 190.653,9.099 r180 bottom
R260 "0" RESC1005X40N 190.602,5.715 r180 bottom
R261 "0" RESC1005X40N 190.653,6.859 r180 bottom
R262 "0" RESC1005X40N 190.653,7.979 r180 bottom
T1 "BSS138LT1G" SOT95P240X110-3N 167.361,14.478 r180 top
T2 "BSS138LT1G" SOT95P240X110-3N 191.11,12.751 r90 top
T3 "BSS138LT1G" SOT95P240X110-3N 171.069,3.962 r90 top
T4 "BSS138LT1G" SOT95P240X110-3N 171.145,0.025 r90 top
T5A "BC857B" SOT95P230X110-3N 53.154,80.67 r90 top (schematic designator T5)
T5B "BC857B" SOT95P230X110-3N 53.154,70.92 r90 top (schematic designator T5)
T5C "BC857B" SOT95P230X110-3N 53.154,61.17 r90 top (schematic designator T5)
T5D "BC857B" SOT95P230X110-3N 53.154,51.42 r90 top (schematic designator T5)
T5E "BC857B" SOT95P230X110-3N 53.154,41.67 r90 top (schematic designator T5)
T5F "BC857B" SOT95P230X110-3N 53.154,31.92 r90 top (schematic designator T5)
T5G "BC857B" SOT95P230X110-3N 53.154,22.17 r90 top (schematic designator T5)
T5H "BC857B" SOT95P230X110-3N 53.154,12.42 r90 top (schematic designator T5)
TR2 "=Value" XFMR_BOURNS_SM51589P 25.104,62.925 r180 top
TR3 "=Value" XFMR_BOURNS_SM51589P 24.454,25.02 r180 top

## Footprints (in the part's own frame and the unit in brackets; to place one, negate y for a bottom-side part, rotate by r counter-clockwise, add the part's x,y. Pads: shape width x height; smd on the part's side, far side on the other; paste and mask are expansions set on the pad)
3M_N2530-6002RB [mm] "30 Contacts - Straight .100\" x .100\" Low Profile Four-Wall Header"
  round 1.6 hole 1: 1(-17.78,-1.27) 2(-17.78,1.27) 3(-15.24,-1.27) 4(-15.24,1.27) 5(-12.7,-1.27) 6(-12.7,1.27) 7(-10.16,-1.27) 8(-10.16,1.27) 9(-7.62,-1.27) 10(-7.62,1.27) 11(-5.08,-1.27) 12(-5.08,1.27) 13(-2.54,-1.27) 14(-2.54,1.27) 15(0,-1.27) 16(0,1.27) 17(2.54,-1.27) 18(2.54,1.27) 19(5.08,-1.27) 20(5.08,1.27) 21(7.62,-1.27) 22(7.62,1.27) 23(10.16,-1.27) 24(10.16,1.27) 25(12.7,-1.27) 26(12.7,1.27) 27(15.24,-1.27) 28(15.24,1.27) 29(17.78,-1.27) 30(17.78,1.27)
  silkscreen extent -22.71,-4.85 22.71,4.52, body extent -22.71,-4.11 22.71,4.52, height 9.91
691382010003 [mm] "Horizontal PCB Header, pitch 2.5mm, 03p"
  rrect50% 2x2 hole 1.4: 1(-2.5,3.95)
  round 2 hole 1.4: 2(0,3.95) 3(2.5,3.95)
  silkscreen extent -4.75,-5.05 4.75,5.05, body extent -4.75,-5.05 4.75,5.05, height 8.15
AMPHENOL_10052825-101LF [mm] "72 Contacts, 2mm Pitch, 6 Columns, 4 Pairs per Column, 4 Walls, Right Angle Header"
  round 1.1 hole 0.5: A1(-5,-7.65) A2(-3,-7.75) A3(-1,-7.65) A4(1,-7.75) A5(3,-7.65) A6(5,-7.75) B1(-5,-6.25) B2(-3,-6.35) B3(-1,-6.25) B4(1,-6.35) B5(3,-6.25) B6(5,-6.35) C1(-5,-4.85) C2(-3,-4.95) C3(-1,-4.85) C4(1,-4.95) C5(3,-4.85) C6(5,-4.95) D1(-5,-3.45) D2(-3,-3.55) D3(-1,-3.45) D4(1,-3.55) D5(3,-3.45) D6(5,-3.55) E1(-5,-2.05) E2(-3,-2.15) E3(-1,-2.05) E4(1,-2.15) E5(3,-2.05) E6(5,-2.15) F1(-5,-0.65) F2(-3,-0.75) F3(-1,-0.65) F4(1,-0.75) F5(3,-0.65) F6(5,-0.75) G1(-5,0.75) G2(-3,0.65) G3(-1,0.75) G4(1,0.65) G5(3,0.75) G6(5,0.65) H1(-5,2.15) H2(-3,2.05) H3(-1,2.15) H4(1,2.05) H5(3,2.15) H6(5,2.05) I1(-5,3.55) I2(-3,3.45) I3(-1,3.55) I4(1,3.45) I5(3,3.55) I6(5,3.45) J1(-5,4.95) J2(-3,4.85) J3(-1,4.95) J4(1,4.85) J5(3,4.95) J6(5,4.85) K1(-5,6.35) K2(-3,6.25) K3(-1,6.35) K4(1,6.25) K5(3,6.35) K6(5,6.25) L1(-5,7.75) L2(-3,7.65) L3(-1,7.75) L4(1,7.65) L5(3,7.75) L6(5,7.65)
  silkscreen extent -6.95,-21.95 6.95,11.85, body extent -6.95,-21.95 6.95,11.85, height 15.25
AMPHENOL_10052838-101LF [mm] "96 Contacts, 2mm Pitch, 8 Columns, 4 Pairs per Column, 4 Walls, Right Angle Header"
  round 1.1 hole 0.5: A1(-7,-7.65) A2(-5,-7.75) A3(-3,-7.65) A4(-1,-7.75) A5(1,-7.65) A6(3,-7.75) A7(5,-7.65) A8(7,-7.75) B1(-7,-6.25) B2(-5,-6.35) B3(-3,-6.25) B4(-1,-6.35) B5(1,-6.25) B6(3,-6.35) B7(5,-6.25) B8(7,-6.35) C1(-7,-4.85) C2(-5,-4.95) C3(-3,-4.85) C4(-1,-4.95) C5(1,-4.85) C6(3,-4.95) C7(5,-4.85) C8(7,-4.95) D1(-7,-3.45) D2(-5,-3.55) D3(-3,-3.45) D4(-1,-3.55) D5(1,-3.45) D6(3,-3.55) D7(5,-3.45) D8(7,-3.55) E1(-7,-2.05) E2(-5,-2.15) E3(-3,-2.05) E4(-1,-2.15) E5(1,-2.05) E6(3,-2.15) E7(5,-2.05) E8(7,-2.15) F1(-7,-0.65) F2(-5,-0.75) F3(-3,-0.65) F4(-1,-0.75) F5(1,-0.65) F6(3,-0.75) F7(5,-0.65) F8(7,-0.75) G1(-7,0.75) G2(-5,0.65) G3(-3,0.75) G4(-1,0.65) G5(1,0.75) G6(3,0.65) G7(5,0.75) G8(7,0.65) H1(-7,2.15) H2(-5,2.05) H3(-3,2.15) H4(-1,2.05) H5(1,2.15) H6(3,2.05) H7(5,2.15) H8(7,2.05) I1(-7,3.55) I2(-5,3.45) I3(-3,3.55) I4(-1,3.45) I5(1,3.55) I6(3,3.45) I7(5,3.55) I8(7,3.45) J1(-7,4.95) J2(-5,4.85) J3(-3,4.95) J4(-1,4.85) J5(1,4.95) J6(3,4.85) J7(5,4.95) J8(7,4.85) K1(-7,6.35) K2(-5,6.25) K3(-3,6.35) K4(-1,6.25) K5(1,6.35) K6(3,6.25) K7(5,6.35) K8(7,6.25) L1(-7,7.75) L2(-5,7.65) L3(-3,7.75) L4(-1,7.65) L5(1,7.75) L6(3,7.65) L7(5,7.75) L8(7,7.65)
  silkscreen extent -8.95,-21.95 8.95,11.85, body extent -8.95,-21.95 8.95,11.85, height 15.25
c150h50 [mm] "Plated Through Hole: Hole Dia.=0.5mm Pad Dia.=1.5mm"
  round 1.5 hole 0.5: 1(0,0)
  silkscreen extent -1.1,-1.1 1.1,1.1
CAPC1005X55N [mm] "Capacitor, Non-Polarized, Chip; 1.00mm L X 0.50mm W X 0.70mm H, IPC Medium Density"
  rect 0.62x0.62 smd: 1(-0.45,0) 2(0.45,0)
  body extent -0.52,-0.27 0.53,0.28, height 0.55
CAPC1608X87N [mm] "Chip Capacitor, Body 1.6x0.8mm IPC Medium Density"
  rect 0.95x1 smd: 1(-0.8,0) 2(0.8,0)
  body extent -0.87,-0.47 0.88,0.48, height 0.87
CAPC2012X95N [mm] "Chip Capacitor, Body 2.0x1.25mm, IPC Medium Density"
  rect 1.1x1.45 smd: 1(-0.9,0) 2(0.9,0)
  silkscreen extent 0,-0.58 0,0.58, body extent -1.05,-0.67 1.05,0.68, height 0.95